# Altium PCB BLDC_DRIVER_1.2.PcbDoc
Units mil, origin at the board's own origin, x right, y up, seen from the top; angles counter-clockwise.
Board outline 6000 x 4990 mil, 4 copper layers (Top Layer, Signal Layer 1, Signal Layer 2, Bottom Layer), stack 33.334 mil thick; 219 components, 206 nets, 924 pads, 21 vias.
Unrouted connection lines stored in the file: 472.
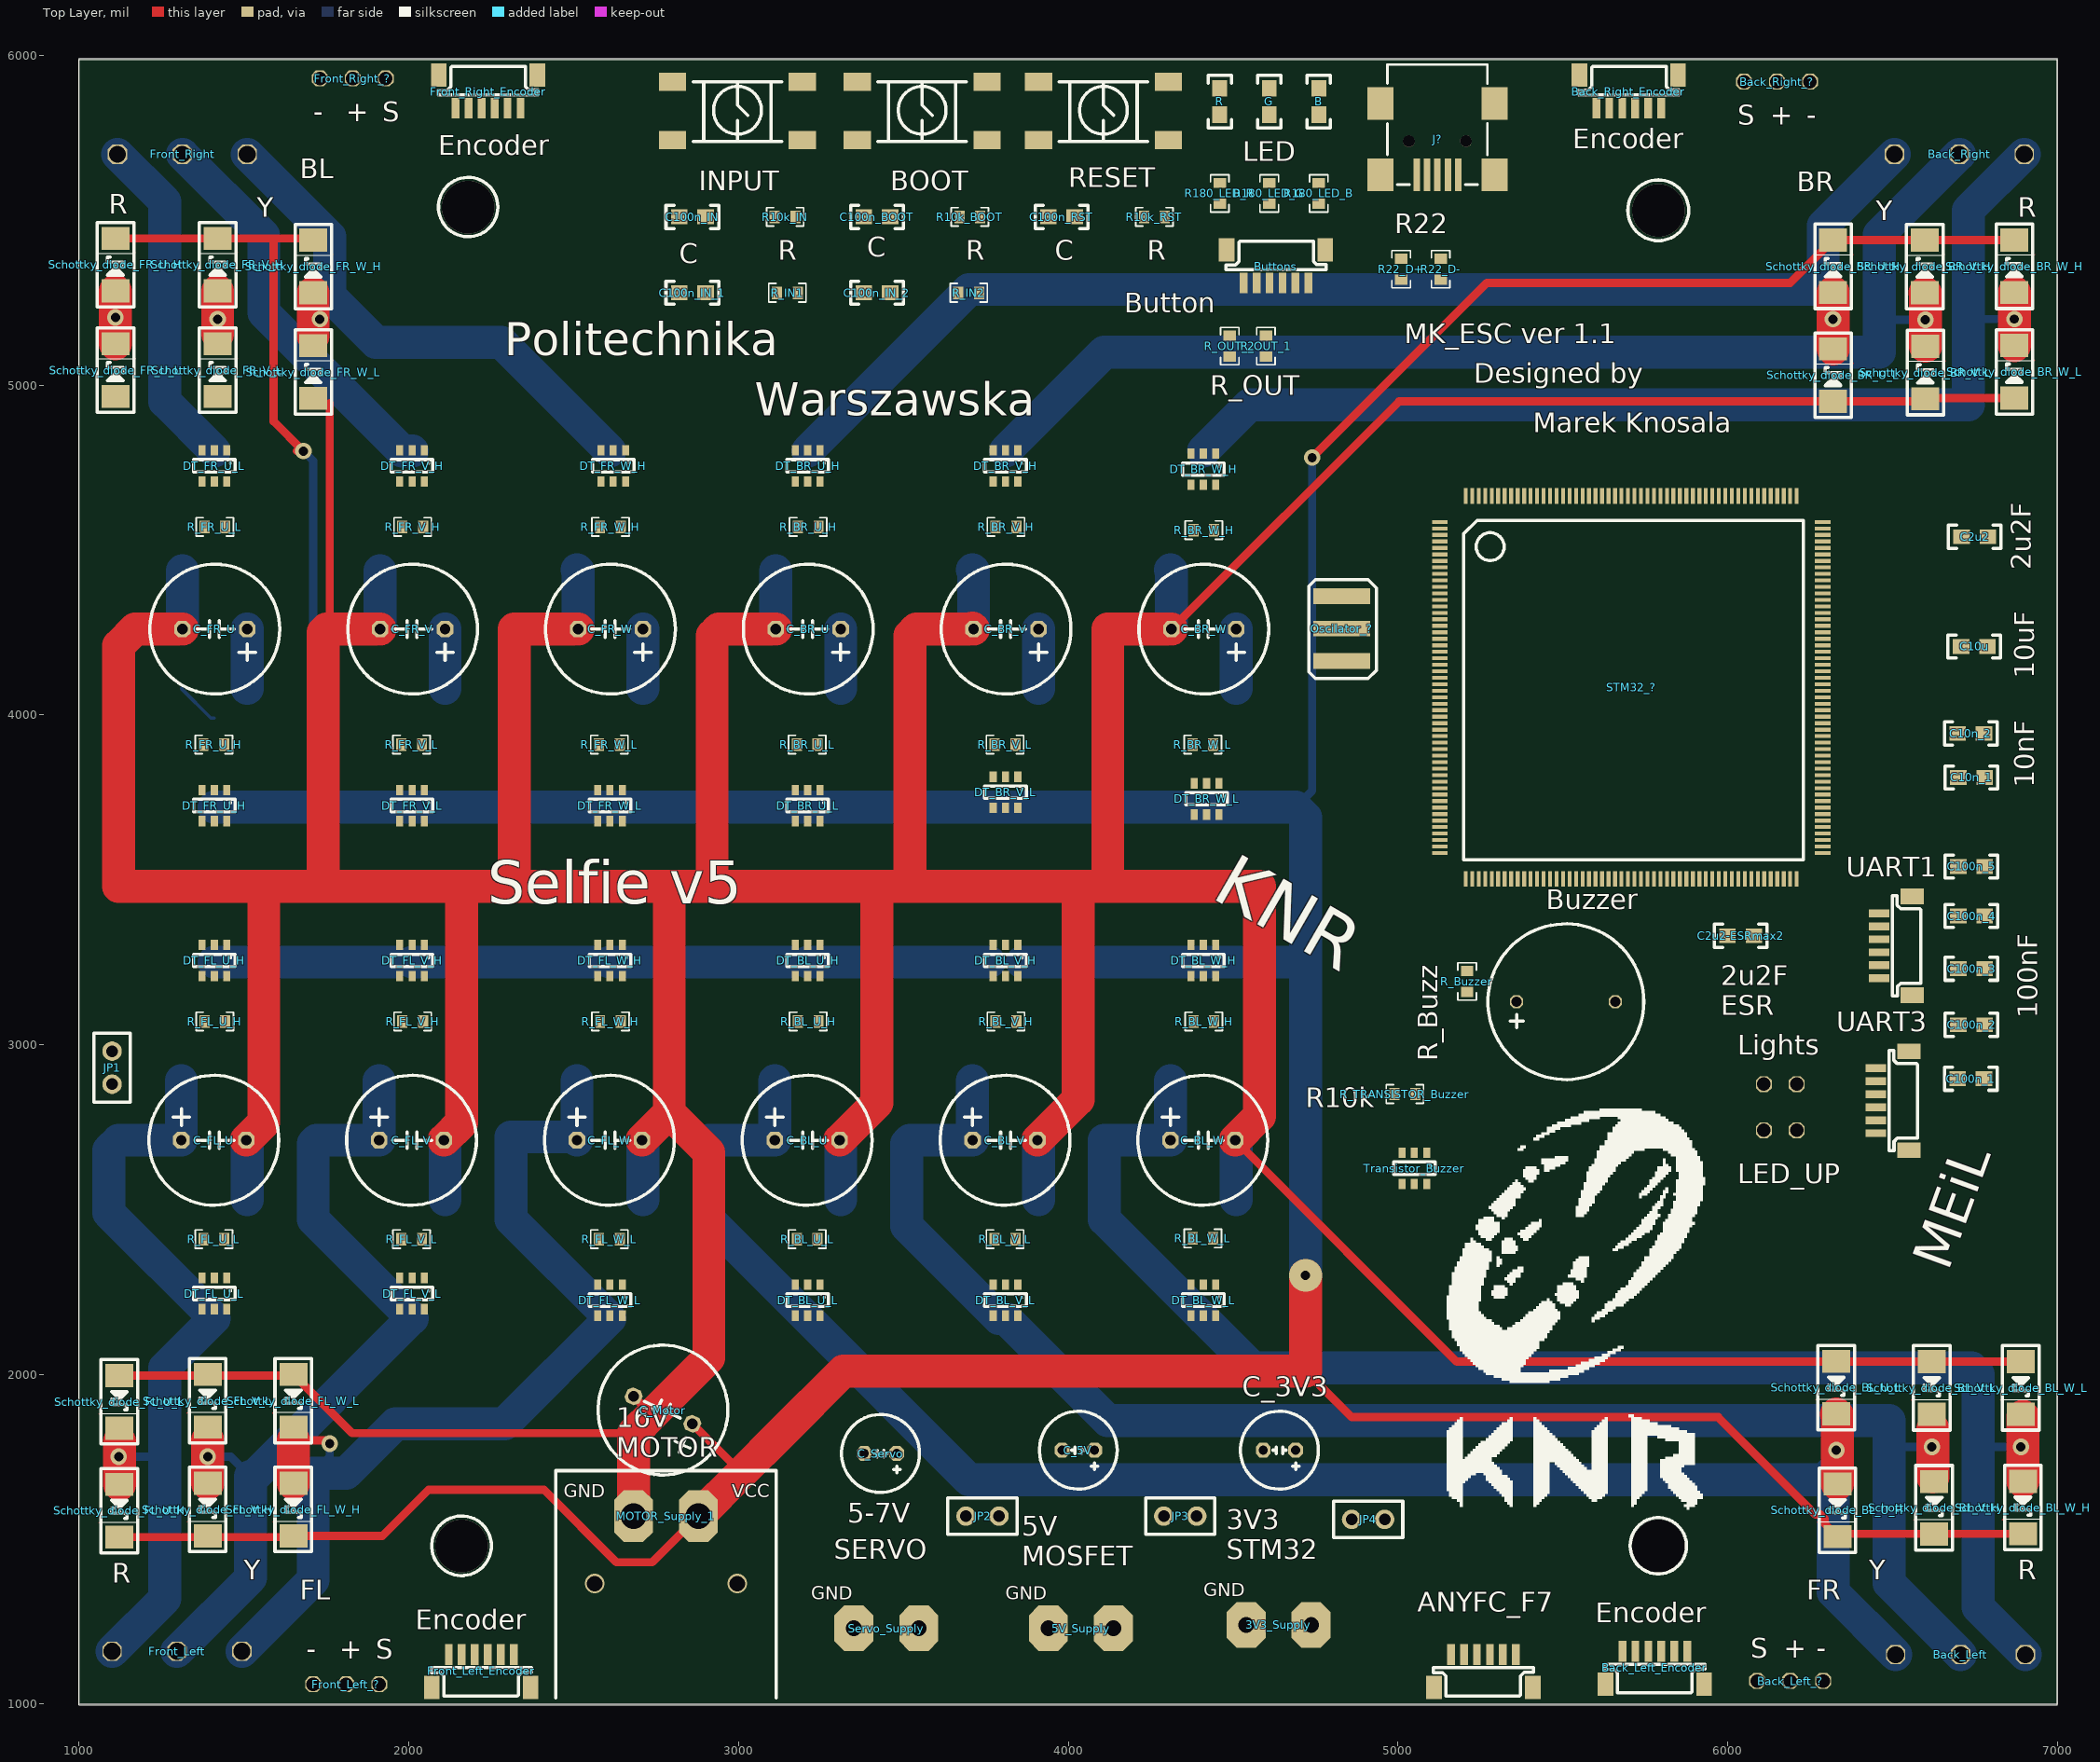
[diagram p0: Top Layer view]
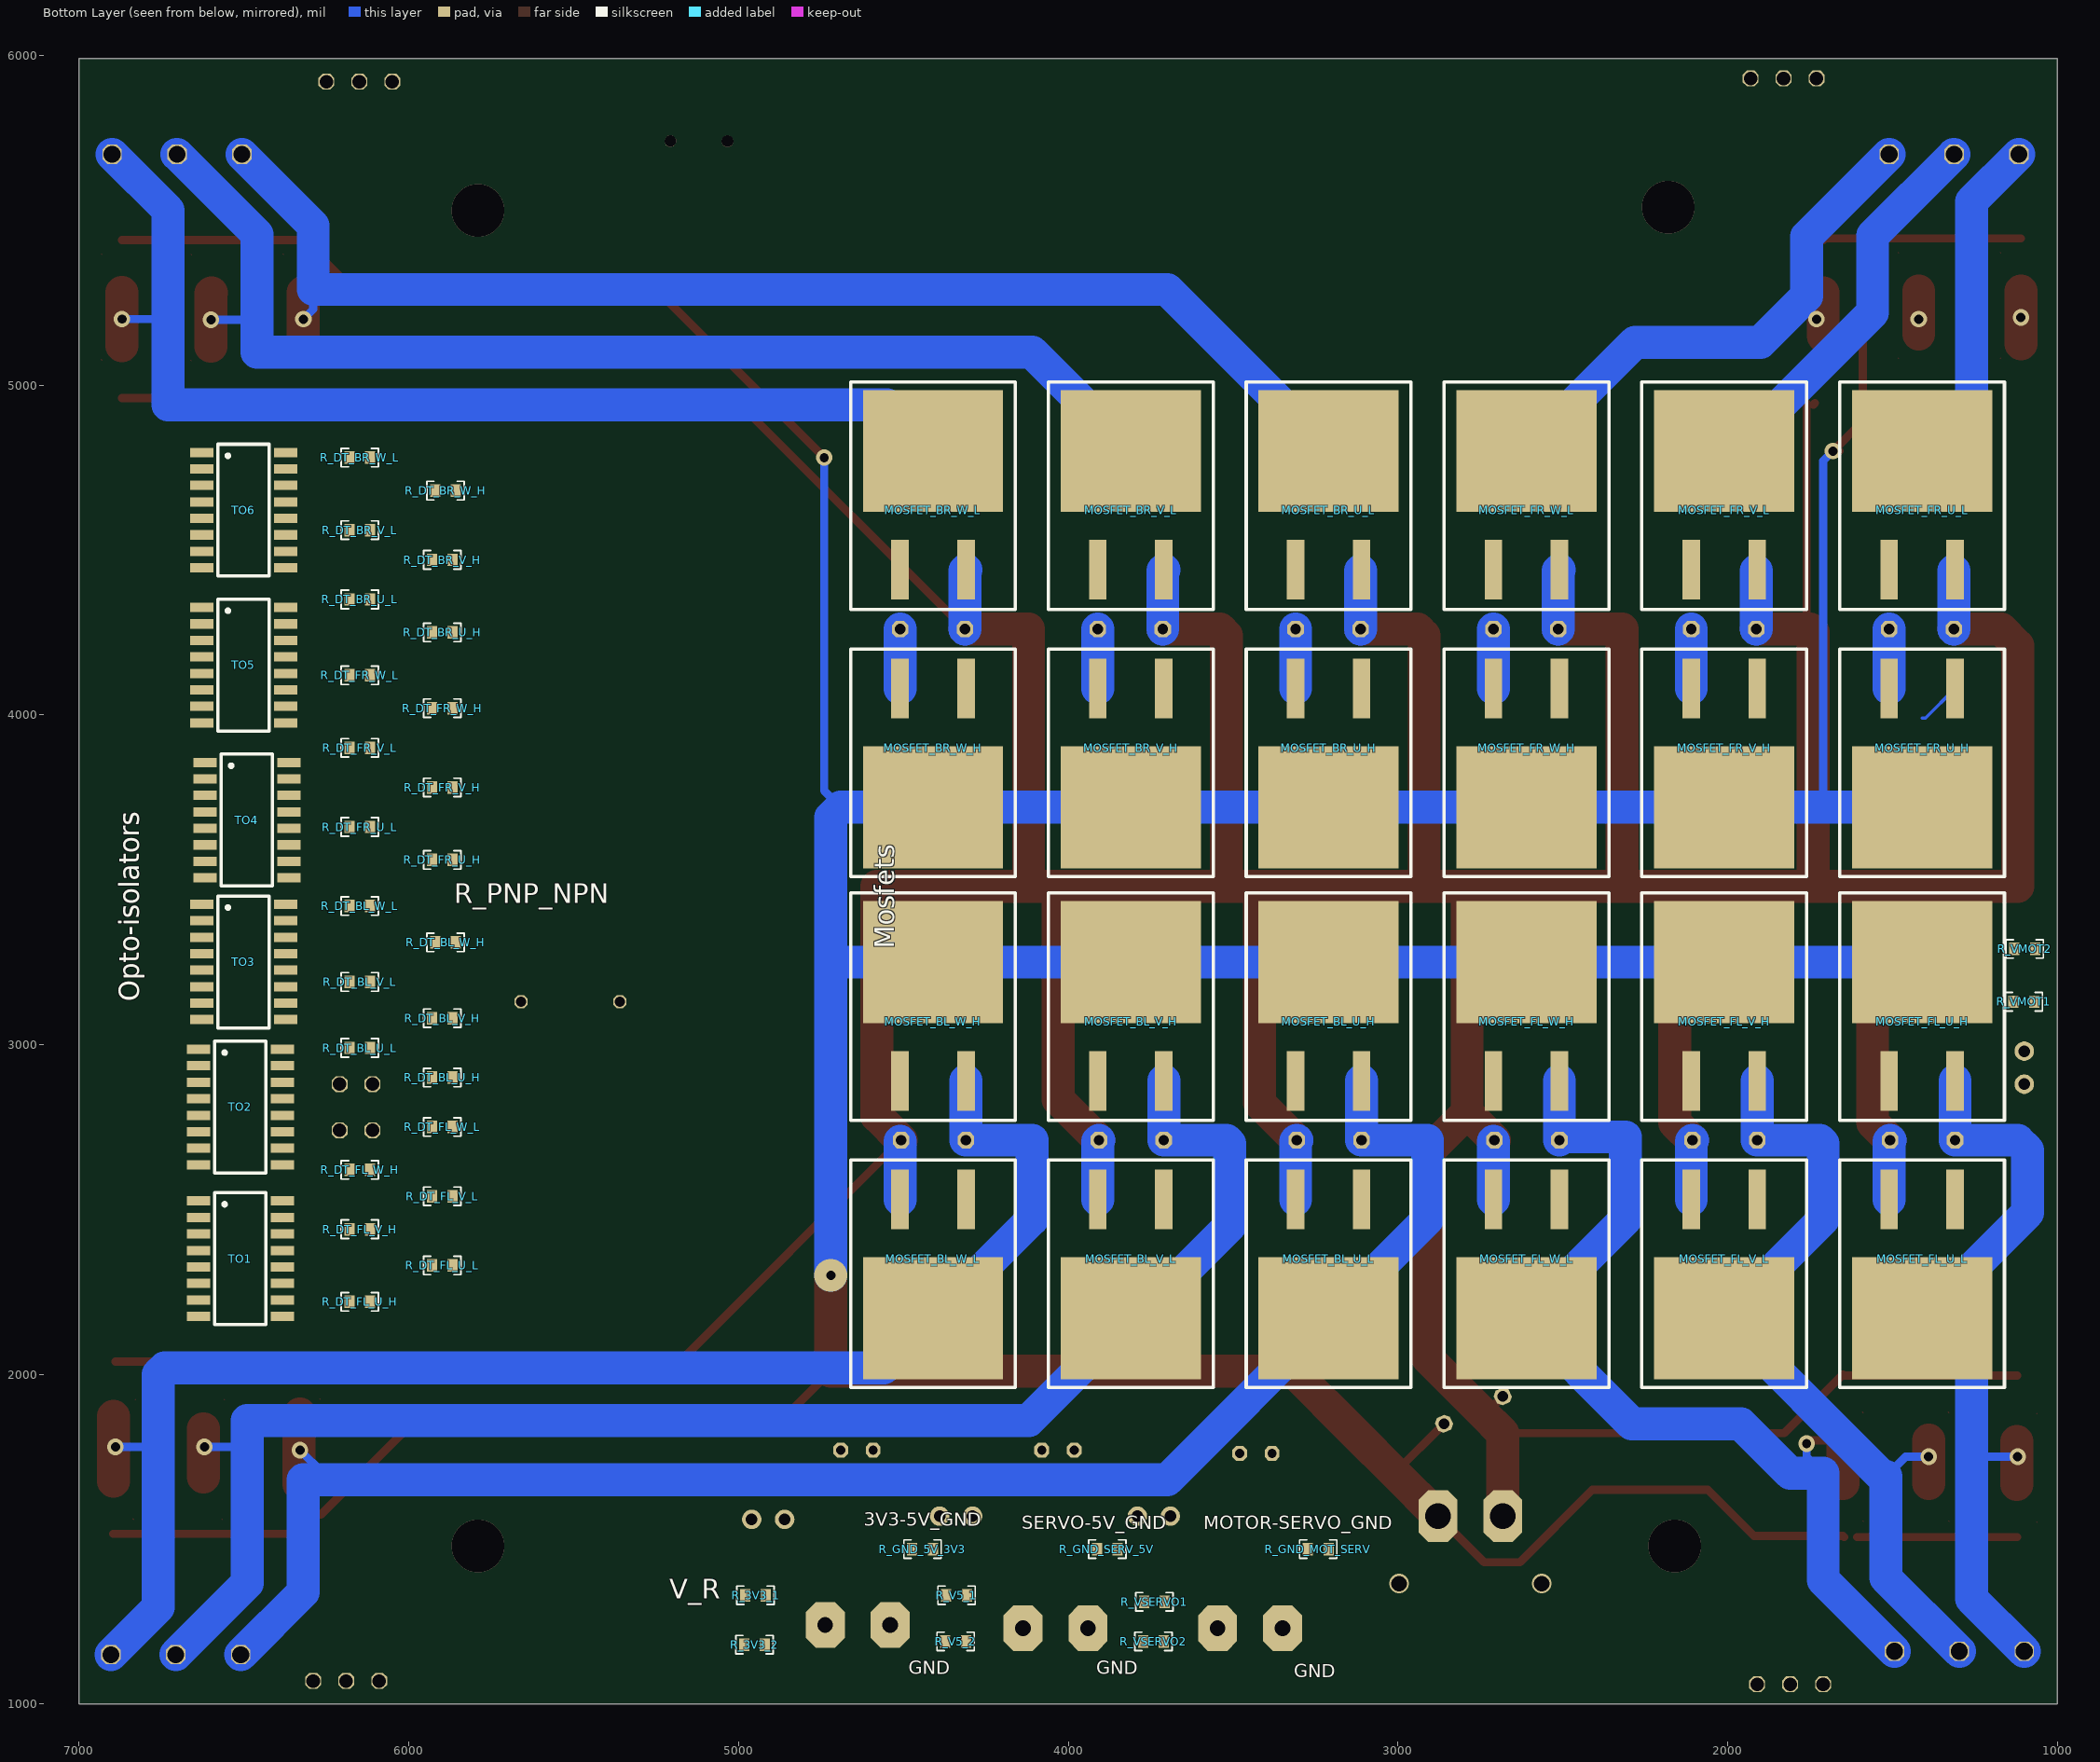
[diagram p1: Bottom Layer view, seen from below]

## Layer stack, top to bottom
Top Solder: solder mask 0.4, Solder Resist, Dk 3.5
Top Layer: signal copper 4.1
Dielectric 1: core 10, FR-4, Dk 4.2
Signal Layer 1: signal copper 1.417
Dielectric 2: prepreg 5, Dk 4.2
Signal Layer 2: signal copper 1.417
Dielectric 5: core 10, Dk 4.2
Bottom Layer: signal copper 1.4
Bottom Solder: solder mask 0.4, Solder Resist, Dk 3.5

## Board outline
1000,1000 7000,1000 7000,5990 1000,5990

## Design rules (kind name [scope] priority, off if disabled: settings)
Clearance [All] p1: gap=8
PolygonConnect [All] p1: connectstyle=Relief reliefconductorwidth=10 reliefentries=4 polygonreliefangle="90 Angle" airgapwidth=10
RoutingVias [All] p1: holewidth=15 width=30 viastyle="Through Hole" minholewidth=15 minwidth=30 maxholewidth=28 maxwidth=50
SolderMaskExpansion [All] p1: expansion=4
Width [All] p1: maxlimit=100 minlimit=10 preferedwidth=12 toplayer_prefwidth=10 midlayer1_maxwidth=50 midlayer2_maxwidth=50 bottomlayer_prefwidth=10 minimp=50.000000 maximp=50.000000 favimp=50.000000
30 further rules are at their usual default settings.

## Components (designator, comment, footprint, x,y, rotation, side; value= is the part's Value field where it differs from the comment)
3V3_Supply "2-pin" 2-pin-zielony-prosty 4540,1240 r0 top
5V_Supply "2-pin" 2-pin-zielony-prosty 3940,1230 r0 top
ANYFC_F7 "SPI" "JST SR SH 1.0 TOP" 5110,1050 r0 top
B "LED" 0603 4760,5820 r90 top
Back_Left "3_phase_engine_con" DG300-5.0-03P-12-00A 6510,1150 r0 top
Back_Left_? "Servo_con" Raster_2.54_3pin 6290,1070 r180 top
Back_Left_Encoder "SPI" "JST SR SH 1.0 TOP" 5630,1060 r0 top
Back_Right "3_phase_engine_con" DG300R-5.0-03P-12-00A(H) 6900,5700 r180 top
Back_Right_? "Servo_con" Raster_2.54_3pin 6250,5920 r180 top
Back_Right_Encoder "SPI" "JST SR SH 1.0 TOP" 5850,5940 r180 top
BOOT "Tact_Switch" "LSH Gullwing" 3360,5920 r180 top
Buttons "BUTTONS" "JST SR SH 1.0 TOP" 4780,5410 r180 top
Buzzer "LD-BZEG-1205/3" Buzzer_LOUDITY 5360,3130 r180 top
C2u2 "Cap" 0603 6790,4540 r180 top
C2u2-ESRmax2 "Cap" 0603 6080,3330 r180 top
C10n_1 "Cap" 0603 6780,3810 r180 top
C10n_2 "Cap" 0603 6777.95,3943.51 r180 top
C10u "Cap" 0603 6788.58,4207.22 r180 top
C100n_1 "Cap" 0603 6777.95,2896.35 r180 top
C100n_2 "Cap" 0603 6780,3060 r180 top
C100n_3 "Cap" 0603 6780,3230 r180 top
C100n_4 "Cap" 0603 6780,3390 r180 top
C100n_5 "Cap" 0603 6780,3540 r180 top
C100n_BOOT "Cap" 0603 3460,5510 r180 top
C100n_IN "Cap" 0603 2900,5510 r180 top
C100n_IN_1 "Cap" 0603 2900,5280 r180 top
C100n_IN_2 "Cap" 0603 3460,5280 r180 top
C100n_RST "Cap" 0603 4020,5510 r180 top
C_3V3 "Cap_pol" 2.5mm 4690,1770 r180 top
C_5V "Cap_pol" 2.5mm 4080,1770 r180 top
C_BL_U "Cap_pol" 5mm 3110,2710 r0 top
C_BL_V "Cap_pol" 5mm 3710,2710 r0 top
C_BL_W "Cap_pol" 5mm 4310,2710 r0 top
C_BR_U "Cap_pol" 5mm 3310,4260 r180 top
C_BR_V "Cap_pol" 5mm 3910,4260 r180 top
C_BR_W "Cap_pol" 5mm 4510,4260 r180 top
C_FL_U "Cap_pol" 5mm 1310,2710 r0 top
C_FL_V "Cap_pol" 5mm 1910,2710 r0 top
C_FL_W "Cap_pol" 5mm 2510,2710 r0 top
C_FR_U "Cap_pol" 5mm 1510,4260 r180 top
C_FR_V "Cap_pol" 5mm 2110,4260 r180 top
C_FR_W "Cap_pol" 5mm 2710,4260 r180 top
C_Motor "Cap_pol" 5mm 2860,1850 r155 top
C_Servo "Cap_pol" 2.5mm 3480,1760 r180 top
DT_BL_U_H "Dual_transistors" SOT457 3210,3190 r180 top
DT_BL_U_L "Dual_transistors" SOT457 3210,2160 r180 top
DT_BL_V_H "Dual_transistors" SOT457 3810,3190 r180 top
DT_BL_V_L "Dual_transistors" SOT457 3810,2160 r180 top
DT_BL_W_H "Dual_transistors" SOT457 4410,3190 r180 top
DT_BL_W_L "Dual_transistors" SOT457 4410,2160 r180 top
DT_BR_U_H "Dual_transistors" SOT457 3210,4690 r180 top
DT_BR_U_L "Dual_transistors" SOT457 3210,3660 r180 top
DT_BR_V_H "Dual_transistors" SOT457 3810,4690 r180 top
DT_BR_V_L "Dual_transistors" SOT457 3810,3700 r180 top
DT_BR_W_H "Dual_transistors" SOT457 4410,4680 r180 top
DT_BR_W_L "Dual_transistors" SOT457 4420,3680 r180 top
DT_FL_U_H "Dual_transistors" SOT457 1410,3190 r180 top
DT_FL_U_L "Dual_transistors" SOT457 1410,2180 r180 top
DT_FL_V_H "Dual_transistors" SOT457 2010,3190 r180 top
DT_FL_V_L "Dual_transistors" SOT457 2010,2180 r180 top
DT_FL_W_H "Dual_transistors" SOT457 2610,3190 r180 top
DT_FL_W_L "Dual_transistors" SOT457 2610,2160 r180 top
DT_FR_U_H "Dual_transistors" SOT457 1410,3660 r180 top
DT_FR_U_L "Dual_transistors" SOT457 1410,4690 r180 top
DT_FR_V_H "Dual_transistors" SOT457 2010,4690 r180 top
DT_FR_V_L "Dual_transistors" SOT457 2010,3660 r180 top
DT_FR_W_H "Dual_transistors" SOT457 2620,4690 r180 top
DT_FR_W_L "Dual_transistors" SOT457 2610,3660 r180 top
Front_Left "3_phase_engine_con" DG300-5.0-03P-12-00A 1100,1160 r0 top
Front_Left_? "Servo_con" Raster_2.54_3pin 1710,1060 r0 top
Front_Left_Encoder "SPI" "JST SR SH 1.0 TOP" 2070,1050 r0 top
Front_Right "3_phase_engine_con" DG300R-5.0-03P-12-00A(H) 1510,5700 r180 top
Front_Right_? "Servo_con" Raster_2.54_3pin 1730,5930 r0 top
Front_Right_Encoder "SPI" "JST SR SH 1.0 TOP" 2390,5940 r180 top
G "LED" 0603 4610,5820 r90 top
INPUT "Tact_Switch" "LSH Gullwing" 2800,5920 r180 top
J? "65100516121" 65100516121 5120,5790 r180 top
JP1 "jumper" jumper 1100,2880 r90 top
JP2 "jumper" jumper 3790,1570 r180 top
JP3 "jumper" jumper 4390,1570 r180 top
JP4 "jumper" jumper 4960,1560 r180 top
LED_UP "LED_UP" Raster_2.54_2pin 6210,2740 r180 top
Lights "WS2812" Raster_2.54_2pin 6210,2880 r180 top
MOSFET_BL_U_H "IFR1018EPbF" TO-263 3110,2890 r180 bottom
MOSFET_BL_U_L "IFR1018EPbF" TO-263 3310,2530 r0 bottom
MOSFET_BL_V_H "IFR1018EPbF" TO-263 3710,2890 r180 bottom
MOSFET_BL_V_L "IFR1018EPbF" TO-263 3910,2530 r0 bottom
MOSFET_BL_W_H "IFR1018EPbF" TO-263 4310,2890 r180 bottom
MOSFET_BL_W_L "IFR1018EPbF" TO-263 4510,2530 r0 bottom
MOSFET_BR_U_H "IFR1018EPbF" TO-263 3310,4080 r0 bottom
MOSFET_BR_U_L "IFR1018EPbF" TO-263 3110,4440 r180 bottom
MOSFET_BR_V_H "IFR1018EPbF" TO-263 3910,4080 r0 bottom
MOSFET_BR_V_L "IFR1018EPbF" TO-263 3710,4440 r180 bottom
MOSFET_BR_W_H "IFR1018EPbF" TO-263 4510,4080 r0 bottom
MOSFET_BR_W_L "IFR1018EPbF" TO-263 4310,4440 r180 bottom
MOSFET_FL_U_H "IFR1018EPbF" TO-263 1310,2890 r180 bottom
MOSFET_FL_U_L "IFR1018EPbF" TO-263 1510,2530 r0 bottom
MOSFET_FL_V_H "IFR1018EPbF" TO-263 1910,2890 r180 bottom
MOSFET_FL_V_L "IFR1018EPbF" TO-263 2110,2530 r0 bottom
MOSFET_FL_W_H "IFR1018EPbF" TO-263 2510,2890 r180 bottom
MOSFET_FL_W_L "IFR1018EPbF" TO-263 2710,2530 r0 bottom
MOSFET_FR_U_H "IFR1018EPbF" TO-263 1510,4080 r0 bottom
MOSFET_FR_U_L "IFR1018EPbF" TO-263 1310,4440 r180 bottom
MOSFET_FR_V_H "IFR1018EPbF" TO-263 2110,4080 r0 bottom
MOSFET_FR_V_L "IFR1018EPbF" TO-263 1910,4440 r180 bottom
MOSFET_FR_W_H "IFR1018EPbF" TO-263 2710,4080 r0 bottom
MOSFET_FR_W_L "IFR1018EPbF" TO-263 2510,4440 r180 bottom
MOTOR_Supply_1 "2-pin" XT30-katowy-in 2780,1570 r180 top (schematic designator MOT_OUT)
Oscilator_? "CSTCC8M00G53-R0" CSTCC8M00G53-R0 4830,4360 r270 top
R "LED" 0603 4460,5820 r90 top
R10k_BOOT "Res" R0603 3670,5510 r0 top
R10k_IN "Res" R0603 3110,5510 r0 top
R10k_RST "Res" R0603 4230,5510 r0 top
R22_D+ "Res" R0603 5010,5320 r90 top
R22_D- "Res" R0603 5130,5320 r90 top
R180_LED_B "Res" R0603 4760,5550 r90 top
R180_LED_G "Res" R0603 4610,5550 r90 top
R180_LED_R "Res" R0603 4460,5550 r90 top
R_3V3_1 "Res" R0603 4980,1330 r180 bottom
R_3V3_2 "Res" R0603 4920,1180 r0 bottom
R_BL_U_H "Res" R0603 3180,3070 r0 top
R_BL_U_L "Res" R0603 3240,2410 r180 top
R_BL_V_H "Res" R0603 3780,3070 r0 top
R_BL_V_L "Res" R0603 3840,2410 r180 top
R_BL_W_H "Res" R0603 4380,3070 r0 top
R_BL_W_L "Res" R0603 4440,2412.28 r180 top
R_BR_U_H "Res" R0603 3180,4570 r0 top
R_BR_U_L "Res" R0603 3240,3910 r180 top
R_BR_V_H "Res" R0603 3780,4570 r0 top
R_BR_V_L "Res" R0603 3840,3910 r180 top
R_BR_W_H "Res" R0603 4380,4560 r0 top
R_BR_W_L "Res" R0603 4440,3910 r180 top
R_Buzzer "Res" R0603 5210,3160 r90 top
R_DT_BL_U_H "Res" R0603 5930,2900 r180 bottom
R_DT_BL_U_L "Res" R0603 6180,2990 r180 bottom
R_DT_BL_V_H "Res" R0603 5930,3080 r180 bottom
R_DT_BL_V_L "Res" R0603 6180,3190 r180 bottom
R_DT_BL_W_H "Res" R0603 5920,3310 r180 bottom
R_DT_BL_W_L "Res" R0603 6180,3420 r180 bottom
R_DT_BR_U_H "Res" R0603 5930,4250 r180 bottom
R_DT_BR_U_L "Res" R0603 6180,4350 r180 bottom
R_DT_BR_V_H "Res" R0603 5930,4470 r180 bottom
R_DT_BR_V_L "Res" R0603 6180,4560 r180 bottom
R_DT_BR_W_H "Res" R0603 5920,4680 r180 bottom
R_DT_BR_W_L "Res" R0603 6180,4780 r180 bottom
R_DT_FL_U_H "Res" R0603 6180,2220 r180 bottom
R_DT_FL_U_L "Res" R0603 5930,2330 r180 bottom
R_DT_FL_V_H "Res" R0603 6180,2440 r180 bottom
R_DT_FL_V_L "Res" R0603 5930,2540 r180 bottom
R_DT_FL_W_H "Res" R0603 6180,2620 r180 bottom
R_DT_FL_W_L "Res" R0603 5930,2750 r180 bottom
R_DT_FR_U_H "Res" R0603 5930,3560 r180 bottom
R_DT_FR_U_L "Res" R0603 6180,3660 r180 bottom
R_DT_FR_V_H "Res" R0603 5930,3780 r180 bottom
R_DT_FR_V_L "Res" R0603 6180,3900 r180 bottom
R_DT_FR_W_H "Res" R0603 5930,4020 r180 bottom
R_DT_FR_W_L "Res" R0603 6180,4120 r180 bottom
R_FL_U_H "Res" R0603 1380,3070 r0 top
R_FL_U_L "Res" R0603 1440,2410 r180 top
R_FL_V_H "Res" R0603 1980,3070 r0 top
R_FL_V_L "Res" R0603 2040,2410 r180 top
R_FL_W_H "Res" R0603 2580,3070 r0 top
R_FL_W_L "Res" R0603 2640,2410 r180 top
R_FR_U_H "Res" R0603 1440,3910 r180 top
R_FR_U_L "Res" R0603 1380,4570 r0 top
R_FR_V_H "Res" R0603 1980,4570 r0 top
R_FR_V_L "Res" R0603 2040,3910 r180 top
R_FR_W_H "Res" R0603 2580,4570 r0 top
R_FR_W_L "Res" R0603 2640,3910 r180 top
R_GND_5V_3V3 "Res" R0603 4410,1470 r0 bottom
R_GND_MOT_SERV "Res" R0603 3210,1470 r0 bottom
R_GND_SERV_5V "Res" R0603 3850,1470 r0 bottom
R_IN1 "Res" R0603 3180,5280 r180 top
R_IN2 "Res" R0603 3730,5280 r180 top
R_OUT_1 "Res" R0603 4600,5150 r270 top
R_OUT_2 "Res" R0603 4490,5150 r270 top
R_TRANSISTOR_Buzzer "Res" R0603 4990,2850 r0 top
R_V5_1 "Res" R0603 4370,1330 r180 bottom
R_V5_2 "Res" R0603 4310,1190 r0 bottom
R_VMOT1 "Res" R0603 1070,3130 r0 bottom
R_VMOT2 "Res" R0603 1130,3290 r180 bottom
R_VSERVO1 "Res" R0603 3770,1310 r180 bottom
R_VSERVO2 "Res" R0603 3710,1190 r0 bottom
RESET "Tact_Switch" "LSH Gullwing" 3910,5920 r180 top
Schottky_diode_BL_U_H "Schottky_diode" DO-214AC 6333.62,1508.07 r270 top
Schottky_diode_BL_U_L "Schottky_diode" DO-214AC 6330,1880 r270 top
Schottky_diode_BL_V_H "Schottky_diode" DO-214AC 6627.09,1515.36 r270 top
Schottky_diode_BL_V_L "Schottky_diode" DO-214AC 6619.81,1878.86 r270 top
Schottky_diode_BL_W_H "Schottky_diode" DO-214AC 6896.11,1516.15 r270 top
Schottky_diode_BL_W_L "Schottky_diode" DO-214AC 6889.81,1878.86 r270 top
Schottky_diode_BR_U_H "Schottky_diode" DO-214AC 6320,5440 r90 top
Schottky_diode_BR_U_L "Schottky_diode" DO-214AC 6320,5110 r90 top
Schottky_diode_BR_V_H "Schottky_diode" DO-214AC 6598.19,5439.49 r90 top
Schottky_diode_BR_V_L "Schottky_diode" DO-214AC 6600,5117.68 r90 top
Schottky_diode_BR_W_H "Schottky_diode" DO-214AC 6870,5440 r90 top
Schottky_diode_BR_W_L "Schottky_diode" DO-214AC 6870,5120 r90 top
Schottky_diode_FL_U_H "Schottky_diode" DO-214AC 1122.13,1506.57 r270 top
Schottky_diode_FL_U_L "Schottky_diode" DO-214AC 1122.13,1836.57 r270 top
Schottky_diode_FL_V_H "Schottky_diode" DO-214AC 1390,1510 r270 top
Schottky_diode_FL_V_L "Schottky_diode" DO-214AC 1390,1840 r270 top
Schottky_diode_FL_W_H "Schottky_diode" DO-214AC 1650,1510 r270 top
Schottky_diode_FL_W_L "Schottky_diode" DO-214AC 1650,1840 r270 top
Schottky_diode_FR_U_H "Schottky_diode" DO-214AC 1110,5445 r90 top
Schottky_diode_FR_U_L "Schottky_diode" DO-214AC 1110,5125 r90 top
Schottky_diode_FR_V_H "Schottky_diode" DO-214AC 1420,5445 r90 top
Schottky_diode_FR_V_L "Schottky_diode" DO-214AC 1420,5125 r90 top
Schottky_diode_FR_W_H "Schottky_diode" DO-214AC 1710,5439.45 r90 top
Schottky_diode_FR_W_L "Schottky_diode" DO-214AC 1710,5119.45 r90 top
Servo_Supply "2-pin" 2-pin-zielony-prosty 3350,1230 r0 top
STM32_? "STM32F769BGT6-SELFIE" LQFP208 5200,4640 r0 top
TO1 "HCPL-090J" SOIC-16 6620,2530 r270 bottom
TO2 "HCPL-090J" SOIC-16 6620,2990 r270 bottom
TO3 "HCPL-090J" SOIC-16 6610,3430 r270 bottom
TO4 "HCPL-090J" SOIC-16 6600,3860 r270 bottom
TO5 "HCPL-090J" SOIC-16 6610,4330 r270 bottom
TO6 "HCPL-090J" SOIC-16 6610,4800 r270 bottom
Transistor_Buzzer "PBSS4160DPN.115" SOT457 5050,2560 r180 top
UART1 "UART" "JST SR SH 1.0 TOP" 6560,3150 r90 top
UART3 "UART" "JST SR SH 1.0 TOP" 6550,2680 r90 top

## Footprints (in the part's own frame and the unit in brackets; to place one, negate y for a bottom-side part, rotate by r counter-clockwise, add the part's x,y. Pads: shape width x height; smd on the part's side, far side on the other; paste and mask are expansions set on the pad)
2-pin-zielony-prosty [mm]
  oct 3x3.5 hole 1.2: 1(0,0) 2(5,0)
  body extent -3.5,-4.7 8.5,3.8, height 12
2.5mm [mil]
  oct 45x45 hole 28: 1(0,0) 2(98.43,0)
  silkscreen extent -69,-118 167,118, body extent -49,-98 148,98, height 433
5mm [mil]
  oct 50x50 hole 32: 1(0,0) 2(196.85,0)
  silkscreen extent -98,-197 295,197, body extent -98,-197 295,197, height 787
0603 [mil]
  rect 50x45 smd: 1(0,0) 2(80,0)
  silkscreen extent -40,-35 120,35, body extent 9,-17 72,17, height 33
65100516121 [mm] "Mini USB 2.0 Type B SMT Horizontal 5 Contacts"
  rect 0.5x2.5 smd: 1(-1.6,3.875) 2(-0.8,3.875) 3(0,3.875) 4(0.8,3.875) 5(1.6,3.875)
  round 0.9 hole 0.9 unplated: MH1(-2.2,1.275) MH2(2.2,1.275)
  rect 2x2.5 smd: Shell(-4.4,3.875) Shell(-4.4,-1.625) Shell(4.4,3.875) Shell(4.4,-1.625)
  silkscreen extent -3.85,-4.62 3.85,4.62, body extent -4.8,-4.62 4.8,4.63, height 3.92
Buzzer_LOUDITY [mm]
  oct 1x1 hole 0.8: 1(-7.6,0) 2(0,0)
  silkscreen extent -9.8,-6 2.2,6, body extent -9.8,-6 5.65,6, height 9.65
CSTCC8M00G53-R0 [mm]
  rect 1.2x4.4 smd: 1(0,0) 2(2.5,0) 3(5,0)
  silkscreen extent -1.27,-2.54 6.35,2.67, body extent -1.06,-1.52 6.14,1.48, height 1.25
DG300-5.0-03P-12-00A [mm]
  oct 1.5x1.5 hole 1.3: 1(0,0) 2(5,0) 3(10,0)
  body extent -2.5,-4 12.5,5, height 12.6
DG300R-5.0-03P-12-00A(H) [mm]
  oct 1.5x1.5 hole 1.3: 1(0,0) 2(5,0) 3(10,0)
  body extent -2.5,-7.3 13.1,2.7, height 7.6
DO-214AC [mm]
  rect 1.78x2.16 smd: 1(-4.05,0) 2(0,0)
  Top Layer lines w0.051: -1.092,-1.575 -1.143,-1.524
  silkscreen extent -5.28,-1.52 1.22,1.4, body extent -4.55,-1.43 0.45,1.27, height 2.33
"JST SR SH 1.0 TOP" [mm]
  rect 0.6x1.6 smd: 1(1.3,2.55) 2(2.3,2.55) 3(3.3,2.55) 4(4.3,2.55) 5(5.3,2.55) 6(6.3,2.55)
  rect 1.2x1.8 smd: 7(7.6,0) 8(0,0)
  silkscreen extent -0.05,-0.66 7.67,1.52, body extent -0.19,-0.74 7.81,2.86, height 4.25
jumper [mm]
  round 1.5 hole 0.9: 1(0,0) 2(2.54,0)
  silkscreen extent -1.4,-1.4 3.94,1.4, body extent -1.23,-1.27 3.77,1.27, height 9.5
LQFP208 [mm]
  rect 1.2x0.3 smd: 1(-1.85,-1.4) 2(-1.85,-1.9) 3(-1.85,-2.4) 4(-1.85,-2.9) 5(-1.85,-3.4) 6(-1.85,-3.9) 7(-1.85,-4.4) 8(-1.85,-4.9) 9(-1.85,-5.4) 10(-1.85,-5.9) 11(-1.85,-6.4) 12(-1.85,-6.9) 13(-1.85,-7.4) 14(-1.85,-7.9) 15(-1.85,-8.4) 16(-1.85,-8.9) 17(-1.85,-9.4) 18(-1.85,-9.9) 19(-1.85,-10.4) 20(-1.85,-10.9) 21(-1.85,-11.4) 22(-1.85,-11.9) 23(-1.85,-12.4) 24(-1.85,-12.9) 25(-1.85,-13.4) 26(-1.85,-13.9) 27(-1.85,-14.4) 28(-1.85,-14.9) 29(-1.85,-15.4) 30(-1.85,-15.9) 31(-1.85,-16.4) 32(-1.85,-16.9) 33(-1.85,-17.4) 34(-1.85,-17.9) 35(-1.85,-18.4) 36(-1.85,-18.9) 37(-1.85,-19.4) 38(-1.85,-19.9) 39(-1.85,-20.4) 40(-1.85,-20.9) 41(-1.85,-21.4) 42(-1.85,-21.9) 43(-1.85,-22.4) 44(-1.85,-22.9) 45(-1.85,-23.4) 46(-1.85,-23.9) 47(-1.85,-24.4) 48(-1.85,-24.9) 49(-1.85,-25.4) 50(-1.85,-25.9) 51(-1.85,-26.4) 52(-1.85,-26.9) 105(27.65,-26.9) 106(27.65,-26.4) 107(27.65,-25.9) 108(27.65,-25.4) 109(27.65,-24.9) 110(27.65,-24.4) 111(27.65,-23.9) 112(27.65,-23.4) 113(27.65,-22.9) 114(27.65,-22.4) 115(27.65,-21.9) 116(27.65,-21.4) 117(27.65,-20.9) 118(27.65,-20.4) 119(27.65,-19.9) 120(27.65,-19.4) 121(27.65,-18.9) 122(27.65,-18.4) 123(27.65,-17.9) 124(27.65,-17.4) 125(27.65,-16.9) 126(27.65,-16.4) 127(27.65,-15.9) 128(27.65,-15.4) 129(27.65,-14.9) 130(27.65,-14.4) 131(27.65,-13.9) 132(27.65,-13.4) 133(27.65,-12.9) 134(27.65,-12.4) 135(27.65,-11.9) 136(27.65,-11.4) 137(27.65,-10.9) 138(27.65,-10.4) 139(27.65,-9.9) 140(27.65,-9.4) 141(27.65,-8.9) 142(27.65,-8.4) 143(27.65,-7.9) 144(27.65,-7.4) 145(27.65,-6.9) 146(27.65,-6.4) 147(27.65,-5.9) 148(27.65,-5.4) 149(27.65,-4.9) 150(27.65,-4.4) 151(27.65,-3.9) 152(27.65,-3.4) 153(27.65,-2.9) 154(27.65,-2.4) 155(27.65,-1.9) 156(27.65,-1.4)